# KiCad board attiny84-usbc.kicad_pcb
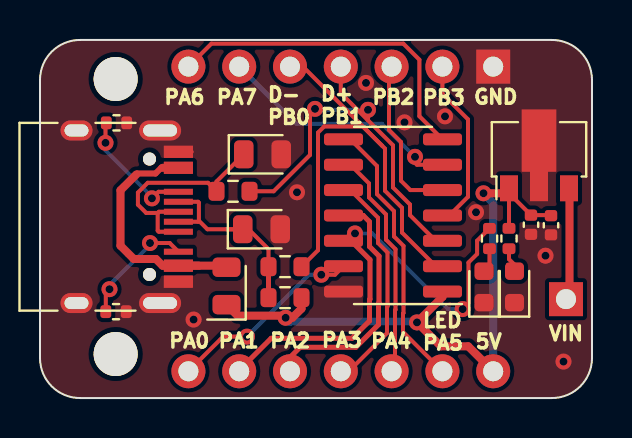
[diagram p0: board, top side]
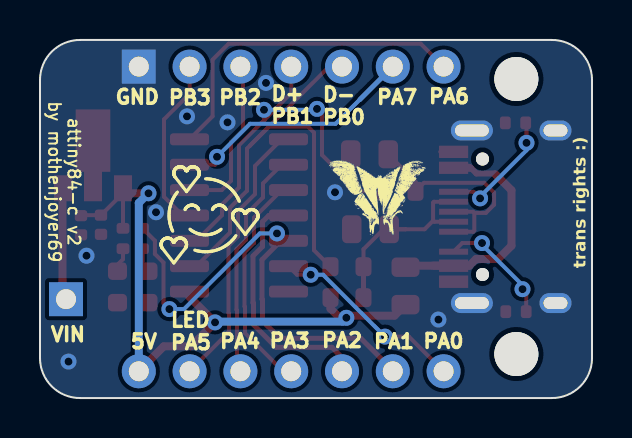
[diagram p1: board, bottom side, seen from below]

Outline 27.6 x 17.93 mm; copper layers: Top, Bottom. Coordinates in mm from the lower left corner of the outline.
Outline path: 0,15.93 arc(0.59,17.34) 2,17.93 25.6,17.93 arc(27.01,17.34) 27.6,15.93 27.6,2 arc(27.01,0.59) 25.6,0 2,0 arc(0.59,0.59) 0,2 0,15.93
Stack: Top 0.035mm / dielectric 1.51mm FR4 er 4.5 / Bottom 0.035mm

## Placement (name value [footprint] x y rotation side)
C1  0.1uF  [C_0402_1005Metric]  25.55 8.65 90 top
C2  4.7uF  [C_0402_1005Metric]  24.55 8.67 270 top
D1  LED  [D_0603_1608Metric]  22.2 5.56 90 top
D2  LED  [D_0603_1608Metric]  23.73 5.56 90 top
D3  3.6v  [D_0805_2012Metric]  11.12 12.2 0 top
D4  3.6v  [D_0805_2012Metric]  11.08 8.45 0 top
D5  D  [D_0805_2012Metric]  9.33 5.61 90 top
J2  Conn_01x03_Socket  [PinSocket_1x01_P2.54mm_Vertical]  26.3 4.95 0 top
J3  USB_C_Receptacle_USB2.0  [USB_C_Receptacle_HRO_TYPE-C-31-M-12]  2.88 9.08 270 top
J4  Conn_01x07_Socket  [PinHeader_1x07_P2.54mm_Vertical]  7.42 1.34 90 top
J5  Conn_01x07_Socket  [PinHeader_1x07_P2.54mm_Vertical#2]  7.42 16.59 90 top
R1  5.6k  [R_0402_1005Metric]  22.48 7.98 270 top
R2  5.6k  [R_0402_1005Metric]  23.45 7.98 90 top
R3  5.6k  [R_0402_1005Metric]  3.83 13.78 0 top
R4  5.6k  [R_0402_1005Metric]  3.8 4.33 0 top
R5  68r  [R_0603_1608Metric]  12.25 6.58 0 top
R6  68r  [R_0603_1608Metric]  9.65 10.35 0 top
R7  1.5k  [R_0603_1608Metric]  12.25 5.03 0 top
REF**  -  [MountingHole_2.2mm_M2]  3.78 2.2 0 top
REF**#2  -  [MountingHole_2.2mm_M2]  3.78 15.97 0 top
U1  ATtiny84-20SS  [SOIC-14_3.9x8.7mm_P1.27mm]  17.65 9.14 180 top
U2  L78L05_SOT89  [SOT-89-3]  24.95 12.45 90 top

## Library data of the parts
C1 C2 = -: Description: Unpolarized capacitor
D1 D2 = -: Description: Light emitting diode
D3 D4 = -: Description: Zener diode
D5 = -: Description: Diode; Sim.Pins: 1=K 2=A
J2 = -: Description: Generic connector, single row, 01x01, script generated
J3 = -: Description: USB 2.0-only Type-C Receptacle connector
J4 J5 = -: Description: Generic connector, single row, 01x07, script generated
R1-R7 = -: Description: Resistor
U1 = -: Description: 20MHz, 8kB Flash, 512B SRAM, 512B EEPROM, debugWIRE, SOIC-14
U2 = -: Description: Positive 100mA 30V Linear Regulator, Fixed Output 5V, SOT-89

## Footprints (pads in the part's own frame, mm; a bottom-side part is the same pattern mirrored in y, then rotated)
C_0402_1005Metric
  rrect 0.56x0.62 smd: 1(-0.48,0) 2(0.48,0)
D_0603_1608Metric
  rrect 0.875x0.95 smd: 1(-0.787,0) 2(0.787,0)
D_0805_2012Metric
  rrect 0.975x1.4 smd: 1(-0.938,0) 2(0.938,0)
MountingHole_2.2mm_M2
  round 2.2 hole 2.2 unplated: (0,0)
PinHeader_1x07_P2.54mm_Vertical
  round 1.7 hole 1: 1(0,0)
  oval 1.7x1.7 hole 1: 2(0,-2.54) 3(0,-5.08) 4(0,-7.62) 5(0,-10.16) 6(0,-12.7) 7(0,-15.24)
PinHeader_1x07_P2.54mm_Vertical#2
  round 1.7 hole 1: 1(0,0)
  oval 1.7x1.7 hole 1: 2(0,-2.54) 3(0,-5.08) 4(0,-7.62) 5(0,-10.16) 6(0,-12.7)
  rect 1.7x1.7 hole 1: 7(0,-15.24)
PinSocket_1x01_P2.54mm_Vertical
  rect 1.7x1.7 hole 1: 1(0,0)
R_0402_1005Metric
  rrect 0.54x0.64 smd: 1(-0.51,0) 2(0.51,0)
R_0603_1608Metric
  rrect 0.8x0.95 smd: 1(-0.825,0) 2(0.825,0)
SOIC-14_3.9x8.7mm_P1.27mm
  rrect 1.95x0.6 smd: 1(-2.475,3.81) 2(-2.475,2.54) 3(-2.475,1.27) 4(-2.475,0) 5(-2.475,-1.27) 6(-2.475,-2.54) 7(-2.475,-3.81) 8(2.475,-3.81) 9(2.475,-2.54) 10(2.475,-1.27) 11(2.475,0) 12(2.475,1.27) 13(2.475,2.54) 14(2.475,3.81)
SOT-89-3
  rect 1.3x0.9 smd: 1(-1.95,1.5) 3(-1.95,-1.5)
  custom 4.6x1.733 smd: 2(-1.863,0)
USB_C_Receptacle_HRO_TYPE-C-31-M-12
  round 0.65 hole 0.65 unplated: (-2.89,2.6) (2.89,2.6)
  rect 0.6x1.45 smd: A1(-3.25,4.045) A4(-2.45,4.045) A9(2.45,4.045) A12(3.25,4.045) B1(3.25,4.045) B4(2.45,4.045) B9(-2.45,4.045) B12(-3.25,4.045)
  rect 0.3x1.45 smd: A5(-1.25,4.045) A6(-0.25,4.045) A7(0.25,4.045) B5(1.75,4.045) B6(0.75,4.045) B7(-0.75,4.045)
  oval 1x2.1 hole 0.6x1.7: S1(-4.32,3.13) S1(4.32,3.13)
  oval 1x1.6 hole 0.6x1.2: S1(-4.32,-1.05) S1(4.32,-1.05)

## Nets
+5V: C1.2 C2.1 D5.1 J4.7 R2.2 R7.2 U1.1 U2.1
/VIN: J2.1 U2.3
GND: C1.1 C2.2 D1.1 D2.1 D3.2 D4.2 J3.A1 J3.A12 J3.B1 J3.B12 J3.S1 J5.7 R3.2 R4.2 U1.14 U2.2
/USB_D+: J5.4 R6.2 U1.3
/USB_D-: J5.3 R5.2 U1.2
Net-(D1-A): D1.2 R1.2
Net-(D2-A): D2.2 R2.1
Net-(D3-K): D3.1 J3.A6 J3.B6 R6.1
Net-(D4-K): D4.1 J3.A7 J3.B7 R5.1 R7.1
Net-(D5-A): D5.2 J3.A4 J3.A9 J3.B4 J3.B9
Net-(J3-CC1): J3.A5 R3.1
Net-(J3-CC2): J3.B5 R4.1
Net-(J4-Pin_1): J4.1 U1.13
Net-(J4-Pin_2): J4.2 R1.1 U1.12
Net-(J4-Pin_3): J4.3 U1.11
Net-(J4-Pin_4): J4.4 U1.10
Net-(J4-Pin_5): J4.5 U1.9
Net-(J4-Pin_6): J4.6 U1.8
Net-(J5-Pin_1): J5.1 U1.7
Net-(J5-Pin_2): J5.2 U1.6
Net-(J5-Pin_5): J5.5 U1.5
Net-(J5-Pin_6): J5.6 U1.4

## Via types
v1: diameter 0.8, hole 0.4, Top to Bottom, 22 vias

## Routing (per net, layer and track width the routed paths; a pad name or vN(x,y) marks a point on that pad's centre or on a via; arc(x,y) is an arc through that point)
+5V: length 33.8
  Top w0.2: R2.2 U2.1 23.45,10.26 C2.1 25.53,9.16 C1.2
  Top w0.4: 22.66,1.52 J4.7 21.41,2.59 20.05,2.59 v1(18.85,3.79) 20.12,5.06 U1.1 ; D5.1 9.88,4.12 12.18,4.12 v1(12.28,4.02) 12.62,4.02 13.08,4.48 R7.2 ; v1(22.18,10.25) 23.2,10.25 U2.1
  Bottom w0.4: v1(22.18,10.25) 22.66,9.77 J4.7 ; v1(18.85,3.79) 18.81,3.83 12.48,3.83 v1(12.28,4.02)
/VIN: length 5.6
  Top w0.4: U2.3 26.48,10.48 26.48,5.12 J2.1
GND: length 0.7
  Top w0.2: 6.92,12.33 7.59,12.33
  vias: v1(7.68,3.93) v1(12.85,10.3) v1(16.3,15.78) v1(18.23,13.8) v1(20.25,14.1) v1(21.8,9.3) v1(25.28,7.12) v1(26.18,1.83)
/USB_D+: length 20.4
  Top w0.2: J5.4 15.04,15.26 16.38,13.93 ; v1(13.75,14.48) 13.5,14.23 13.5,12.17 11.68,10.35 R6.2 ; U1.3 19.78,7.87 18.5,9.15 18.5,9.69 17.65,10.54 17.65,12.65 16.38,13.93 ; 16.38,13.93 16.4,13.95 v1(16.4,14.43)
  Bottom w0.2: v1(13.75,14.48) 13.8,14.43 v1(16.4,14.43)
/USB_D-: length 24.5
  Top w0.2: J5.3 13.15,16.59 17.11,12.63 ; U1.2 19.78,6.6 18.1,8.28 18.1,9.52 17.25,10.37 17.25,12.49 17.11,12.63 ; 17.11,12.63 16.14,13.59 14.21,13.59 13.9,13.29 13.9,7.4 R5.2
Net-(D1-A): length 1.2
  Top w0.2: D1.2 22.48,6.62 22.48,7.48
Net-(D2-A): length 1.7
  Top w0.2: 23.45,7.48 23.45,6.95 23.73,6.67 D2.2 23.4,6.67
Net-(D3-K): length 11.5
  Top w0.2: 5.89,9.27 5.31,9.27 4.9,9.68 4.9,10.28 5.39,10.78 8.4,10.78 R6.1 8.83,10.84 D3.1 ; 5.89,9.27 5.95,9.33 6.92,9.33 ; 5.89,9.27 5.89,8.38 5.94,8.33 6.92,8.33
Net-(D4-K): length 10.5
  Top w0.2: 7.95,8.88 8.37,8.45 9.33,8.45 ; 7.95,8.88 7.9,8.83 6.92,8.83 ; 7.95,8.88 7.95,9.78 7.9,9.83 6.92,9.83 ; 9.33,8.45 10.35,8.45 ; 9.33,8.45 10.43,8.45 11.43,7.45 R5.1
  Top w0.25: R7.1 R5.1
Net-(D5-A): length 12.9
  Top w0.3: 6.13,11.53 6.06,11.53 5.78,11.24 4.87,11.24 4.81,11.19
  Top w0.4: 6.92,6.62 9.25,6.62 D5.2 ; 6.92,6.62 6.13,6.62 5.8,6.96 4.69,6.96 4.03,7.62 4.03,10.4 4.81,11.19 ; 6.92,6.62 7.95,6.62 ; 6.92,11.53 6.13,11.53
Net-(J3-CC1): length 6.2
  Top w0.2: R3.1 3.28,13.73 v1(3.28,12.78) ; v1(5.6,10) 5.92,10.33 6.92,10.33
  Bottom w0.2: v1(3.28,12.78) 3.28,12.4 5.6,10.08 v1(5.6,10)
Net-(J3-CC2): length 6.3
  Top w0.1: 3.25,4.56 3.17,4.48
  Top w0.2: v1(5.5,7.76) 6.49,7.76 6.92,7.33 ; R4.1 3.29,5.27 v1(3.48,5.45) 3.28,5.45
  Bottom w0.2: v1(3.48,5.45) 3.48,5.65 5.5,7.67 v1(5.5,7.76)
Net-(J4-Pin_1): length 10.6
  Top w0.2: v1(10.35,3.08) 9.16,3.08 J4.1 ; U1.13 14.75,6.17 v1(14.06,6.17) 14.49,6.6
  Top w0.25: 7.42,1.35 7.42,1.36
  Bottom w0.2: v1(10.35,3.08) 13.45,6.17 v1(14.06,6.17)
Net-(J4-Pin_2): length 24.6
  Top w0.2: v1(21.13,4.45) 21.43,4.75 21.43,6.78 21.86,7.21 21.86,7.88 R1.1 ; U1.12 15.55,8.24 v1(15.75,8.24)
  Top w0.25: 9.96,1.35 9.96,1.39 11.56,2.99 15.6,2.99 16.48,3.86 16.48,4.93 16.5,4.95 16.5,6.92 15.55,7.87 U1.12
  Bottom w0.2: v1(15.75,8.24) 16.61,8.24 20.4,4.45 v1(21.13,4.45)
Net-(J4-Pin_3): length 12.6
  Top w0.25: U1.11 16.16,9.14 16.48,8.83 16.48,7.58 16.95,7.11 16.95,4.76 16.93,4.74 16.93,3.67 15.79,2.54 13.01,2.54 12.5,2.03 12.5,1.35
Net-(J4-Pin_4): length 11.4
  Top w0.2: J4.4 15.44,1.34 17.35,3.25 17.35,4.56 17.38,4.59 17.38,7.28 16.9,7.76 16.9,9.03 15.52,10.41 U1.10
Net-(J4-Pin_5): length 12.3
  Top w0.2: J4.5 17.75,1.51 17.75,4.4 17.78,4.42 17.78,7.45 17.3,7.92 17.3,9.19 16.45,10.04 16.45,10.75 15.52,11.68 U1.9
  Top w0.25: 17.58,1.35 17,1.35
Net-(J4-Pin_6): length 13.9
  Top w0.2: J4.6 18.15,3.31 18.15,4.23 18.18,4.26 18.18,7.62 17.7,8.09 17.7,9.36 16.85,10.21 16.85,11.62 15.52,12.95 U1.8
Net-(J5-Pin_1): length 16.8
  Top w0.2: U1.7 18.97,14.11 18.97,16.94 18.17,17.74 8.57,17.74 J5.1
Net-(J5-Pin_2): length 14.7
  Top w0.2: U1.6 18.84,11.68 18.75,11.78 v1(18.75,12.08)
  Bottom w0.2: J5.2 12.82,13.73 17.1,13.73 v1(18.75,12.08)
  Bottom w0.25: 11.6,14.94 9.96,16.59
Net-(J5-Pin_5): length 8.8
  Top w0.2: J5.5 17.45,16.46 17.45,13.42 18.05,12.82 18.05,10.88 18.52,10.41 U1.5
  Top w0.25: 17.58,16.59 17.58,16.06
Net-(J5-Pin_6): length 9
  Top w0.2: U1.4 20.47,9.14 21.4,10.07 21.4,13.95 20.12,15.23 J5.6
  Top w0.25: 20.12,16.59 20.31,16.4

## Copper pours and planes (outline as drawn; the poured copper is in the pictures)
GND on Top, Bottom: 32.45,-7.95 -5.22,-3.5 -3.6,21.12 27.75,20.55

## Text on the board
B.Silkscreen: attiny84-c v2 / by mothenjoyer69 | PA6 | PA0 | PA7 | PA1 | D- / PB0 | PA2 | D+ / PB1 | PB2 | LED / PA5 | PB3 | 5V | GND | VIN | PA3 | PA4 | trans rights :)
F.Silkscreen: PA6 | PA0 | PA7 | PA1 | D- / PB0 | PA2 | D+ / PB1 | PB2 | PB3 | LED / PA5 | GND | 5V | VIN | PA3 | PA4
